# Altium PCB 英雄云台V1.施佳良.PcbDoc (continued)
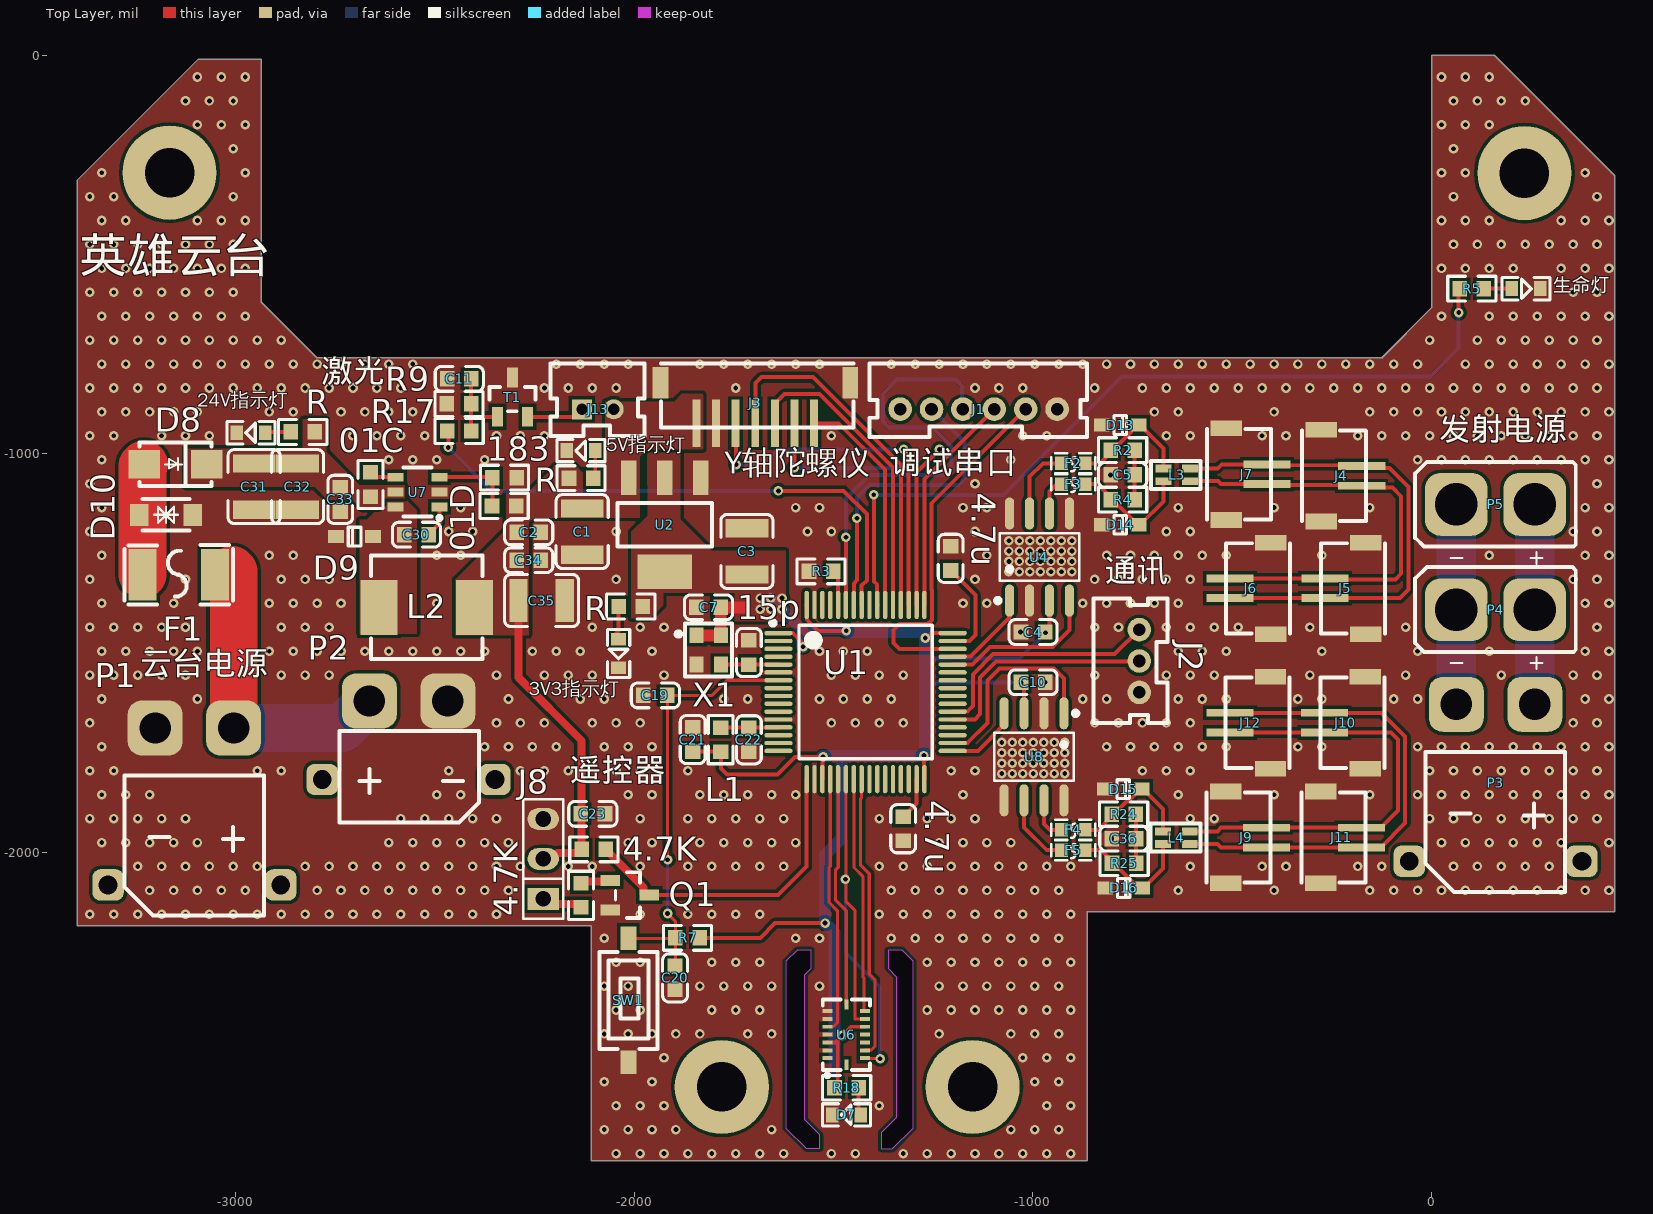
[diagram p0: Top Layer view]
## Footprints (in the part's own frame and the unit in brackets; to place one, negate y for a bottom-side part, rotate by r counter-clockwise, add the part's x,y. Pads: shape width x height; smd on the part's side, far side on the other; paste and mask are expansions set on the pad) (continued)
  silkscreen extent -3.25,-5.13 3.25,5.1, body extent -2.07,-5.15 3.23,5.25, height 12.6

## Part data
01C 01D 183 R R R2 R4 R24 R25: library part R
3V3指示灯 D7 生命灯: "发光二极管", LatestRevisionDate=08-Jul-2005, LatestRevisionNote="Mech Layer 1 removed.", PackageReference=LED-0, Published=8-Jun-2000, Publisher="Altium Limited"
4.7K 4.7K R7: library part "0603 4.7KΩ (4701) 1%", "贴片电阻", Package=0603, SuppliersPartNumber=C23162, ComponentLink1Description=供应商链接, ComponentLink1URL=http://www.szlcsc.com/product/details_23889.html, Supplier=LC
4.7u 4.7u: library part "0402 4.7uF (475) 20% 10V", "贴片电容", Package=0402, SuppliersPartNumber=C23733, ComponentLink1Description=供应商链接, ComponentLink1URL=http://www.szlcsc.com/product/details_24469.html, Supplier=LC
5V指示灯 24V指示灯: library part LED0, "发光二极管", LatestRevisionDate=08-Jul-2005, LatestRevisionNote="Mech Layer 1 removed.", PackageReference=LED-0, Published=8-Jun-2000, Publisher="Altium Limited"
15p: library part "0402 15pF (150) 5% 50V", "贴片电容", Package=0402, SuppliersPartNumber=C1548, ComponentLink1Description=供应商链接, ComponentLink1URL=http://www.szlcsc.com/product/details_1900.html, Supplier=LC
C1 C2 C3 C11 C27 C28 C29: library part Cap, LatestRevisionDate=17-Jul-2002, LatestRevisionNote="Re-released for DXP Platform.", PackageReference=RAD-0.3, Published=8-Jun-2000, Publisher="Altium Limited"
C4 C7 C10 C13 C14 C15 C16 C21 C22: library part "0402 100nF (104) 10% 16V", "贴片电容", Package=0402, SuppliersPartNumber=C1525, ComponentLink1Description=供应商链接, ComponentLink1URL=http://www.szlcsc.com/product/details_1877.html, Supplier=LC
C5 C30 C31 C32 C33 C34 C35 C36: library part C, Package=0603, SuppliersPartNumber=C19666, ComponentLink1Description=供应商链接, ComponentLink1URL=http://www.szlcsc.com/product/details_20375.html, Supplier=LC
C12 C19 C20: library part "0603 4.7uF (475) 10% 16V", "贴片电容", Package=0603, SuppliersPartNumber=C19666, ComponentLink1Description=供应商链接, ComponentLink1URL=http://www.szlcsc.com/product/details_20375.html, Supplier=LC
C18 C23: library part "0603 1uF (105) 10% 50V", "贴片电容", Package=0603, SuppliersPartNumber=C15849, ComponentLink1Description=供应商链接, ComponentLink1URL=http://www.szlcsc.com/product/details_16531.html, Supplier=LC
D8: library part 二极管
D10 D13 D14 D15 D16: BOM_JLCPCB Part Class="Extended Part", BOM_Manufacturer="MCC(Micro Commercial Components)", BOM_Manufacturer Part=SMAJ36A-TP, BOM_Supplier=LCSC, BOM_Supplier Part=C669031, Contributor=LCSC, spicePre=D, spiceSymbolName=SMAJ36A-TP
F1: library part 保险丝
J1: library part "PH 6P"
J2 J8: library part "PH 3P"
J3: library part "GH 7PIN"
L1 L2: library part 电感, "Inductor, Shielded Drum Core, Ferrite, 33 µH, 0.68 A, 0.42 ohm, SMD", Manufacturer=Coilcraft, Value1="0.42 ohm", Value2=0.68A, ValueDisplayed=22UH, AEC Category=Q200, AEC Qualified=?, ComponentLink1Description="Datasheet link", ComponentLink1URL=http://www.coilcraft.com/pdfs/lps4018.pdf, CompType=Inductor, DCR_ohm=0.42, Green_EU RoHS=Incomplete, Green_EU RoHS-2=Incomplete, Green_Lifecycle="Not Set", Green_REACh=Incomplete, Imax_A=0.68, Ind_H=33.0E-6, Irms="0.8A @ 40C rise", Isat="0.68A @ 30% inductance drop", LatestRevisionDate=2017-05-12, Material=Ferrite, MountType=SMT, PackageReference=LPS4018, PartNumber=LPS4018-333MLB, Published=2008-06-26, Publisher="Texas Instruments", RoHS=Y, SizeArea_mm2=15.21, SizeAreaWB_mm2=24.01, SizeX_mm=3.9, SizeY_mm=3.9, SizeZ_mm=1.7, SymbolVersion=2008-07-23, Technology="Shielded Drum Core"
L3 L4: BOM_Manufacturer="Prosperity Dielectrics", BOM_Manufacturer Part=SCM2012F-181M-I-LRH, BOM_Supplier=LCSC, BOM_Supplier Part=C329447, Contributor=LCSC, nameAlias=Value, spicePre=L, spiceSymbolName=SCM2012F-181M-I-LRH
Q1: library part "SOT-23 SS8050 Y1", "三极管", Package=SOT-23, SuppliersPartNumber=C2150, ComponentLink1Description=供应商链接, ComponentLink1URL=http://www.szlcsc.com/product/details_2507.html, Supplier=LC
R R5 R18: library part Res, LatestRevisionDate=17-Jul-2002, LatestRevisionNote="Re-released for DXP Platform.", PackageReference=AXIAL-0.4, Published=8-Jun-2000, Publisher="Altium Limited"
R3: library part "0402 10KΩ (1002) 1%", "贴片电阻", Package=0402, SuppliersPartNumber=C25744, ComponentLink1Description=供应商链接, ComponentLink1URL=http://www.szlcsc.com/product/details_26487.html, Supplier=LC
T1: "NPN", PackageDocument=Sep-1998, Code_JEDEC=TO-92A, ComponentLink1Description="Manufacturer Link", ComponentLink1URL=http://www.fairchildsemi.com/, ComponentLink2Description=Datasheet, ComponentLink2URL=http://www.fairchildsemi.com/ds/2N%2F2N3904.pdf, DatasheetDocument=1997, LatestRevisionDate=15-Jan-2003, LatestRevisionNote="PCB Footprint 'BCY-W3/D4.7' replaced", PackageReference=TO-92A, Published=8-Jun-2000, Publisher="Altium Limited"
U2: "线性稳压3.3V-5V 1A"
U4 U8: BOM_JLCPCB Part Class="Extended Part", BOM_Manufacturer=MAXIM, BOM_Manufacturer Part=MAX3051EKA+T, BOM_Supplier=LCSC, BOM_Supplier Part=C112005, spicePre=U, spiceSymbolName=MAX3051EKA+T
X1: BOM_Manufacturer="Seiko Epson", BOM_Manufacturer Part=SG-8018CG-8.000000MHz-TJHSA, BOM_Supplier=LCSC, BOM_Supplier Part=C390520, Contributor=LCSC, nameAlias=Frequency, spicePre=X, spiceSymbolName=SG-8018CG-8.000000MHZ-TJHSA
R9 R17: LatestRevisionDate=17-Jul-2002, LatestRevisionNote="Re-released for DXP Platform.", PackageReference=AXIAL-0.4, Published=8-Jun-2000, Publisher="Altium Limited"

## Free pads (board coordinates)
  round 236.22 hole 124.02 unplated: 4(-3165,-295) 5(-1780,-2588) 6(-1151,-2588) 7(233,-296)

## Via types
v1: diameter 24, hole 12, Top Layer to Bottom Layer, tented both sides, 805 vias
v2: diameter 24, hole 12, Top Layer to Bottom Layer, 89 vias

## Nets (pads, with @x,y where several pads share a name; then routed paths per layer and width w, separated by ;. In a path a pad name is that pad's centre, name@x,y a point inside that pad or via, vN(x,y) a via of type N, cw(c..) or ccw(c..) an arc to the next point about the centre after c; other vN are vias at no path point)
3V3: C3.2 C4.1 C7.2 C10.1 C12.2 C13.2 C14.2 C15.2 C16.2 C18.2 C21.2 C27.2 C28.2 C29.2 L1.1 R7.1 R18.2 R.2@-1978,-1383 U1.1 U1.19 U1.32 U1.48 U1.64 U2.2 U4.3 U6.3 U6.11 U8.3 X1.1 X1.4 | length 4165.8
  Top Layer w10: C21.2 -1783.31,-1747 L1.1 -1782,-1748.31 -1782,-1789.36 -1767.36,-1804 -1640.73,-1804 -1596.73,-1760 v2(-1526,-1760) -1527.57,-1761.57 -1527.57,-1815.84 U1.19 ; R7.1 -1683,-2214 -1646,-2177 v2(-1521,-2177) ; U1.1 -1637.8,-1450.09 -1601.39,-1450.09 -1578.68,-1472.8 -1578.68,-1481.32 v2(-1576,-1484) ; U1.64 -1566.94,-1379.22 -1566.94,-1415.64 -1538.57,-1444 v2(-1468,-1444) ; U6.3 -1514.92,-2476.28 -1495.28,-2476.28 -1489.2,-2470.2 ; R18.2 -1489.2,-2581.89 -1489.2,-2470.2 ; U6.11 -1456,-2437 v2(-1478,-2459) -1489.2,-2470.2 ; v2(-1273,-1757) -1273,-1784.69 -1271.86,-1785.83 U1.32 ; v2(-1270,-1462) -1266.21,-1462 -1254.3,-1450.09 -1201.19,-1450.09 U1.48 ; C10.1 -1022,-1580.63 U8.3 ; C4.1 -958.25,-1436.25 U4.3
  Top Layer w30: X1.1 X1.4 -1782.65,-1455.05 C7.2@-1782.65,-1385.35 ; C7.2 -1724,-1385
  Bottom Layer w10: -1271,-1579 -1266,-1574 v2(-1029,-1574) ; -1271,-1514 -1033,-1514 v2(-968,-1449)
  Bottom Layer w30: v2(-1657,-1362) v2(-1629,-1390) -1579.31,-1439.69 ; C16.2 -1579.31,-1481.69 -1579.31,-1439.69 ; C13.2@-1526.98,-1758 C13.2 -1480,-1758 ; C18.2 C29.2 C28.2 C27.2 -1497,-2366.98 -1497,-2201 v2(-1521,-2177) -1521,-2006 -1480,-1965 -1480,-1758 ; v2(-1468,-1444) -1472.29,-1439.69 -1579.31,-1439.69 ; C15.2 -1467.02,-1443 -1463.02,-1447 C14.2 -1266,-1447.98 -1271,-1452.98 -1271,-1514 -1271,-1579 C12.2 -1480,-1758
  other v2: -1684,-1390 -1657,-1390 -1684,-1362 -1629,-1362
5V: 01D.1 4.7K.2@-2131.32,-1992 C1.2 C2.2 C23.1 C34.1 C35.1 J3.1 J8.2 J13.1 L2.2 R.1@-2163.31,-1061 U2.3 | length 797
  Top Layer w20: C35.1 -2290.1,-1560.9 -2131.32,-1719.68 -2131.32,-1992 -2131.32,-1992.98 -2139.62,-2001.29 -2191.98,-2001.29 -2206.69,-2016 J8.2
24V: F1.1 P1.1 P2.1 | length 766.4
  Top Layer w120: -3008,-1291 -3004.11,-1294.89 P1.1
  Bottom Layer w120: P1.1 -2731.39,-1687.65 P2.1
BOOST24V: P3.1 P4.1 P5.1 | length 501.3
  Bottom Layer w100: P3.1 P4.1 P5.1
BOOSTGND: P3.2 P4.2 P5.2 | length 501.3
  Bottom Layer w100: P3.2 P4.2 P5.2
CAN_CAN1_N: J4.1 J5.1 J6.1 J7.1 L3.2 | length 1174.6
  Top Layer w10: L3.2 -535,-1068.75 -527.75,-1076 J7.1 -411,-1078 -177.06,-1078 -170.21,-1084.84 -98.29,-1084.84 -76,-1107.14 -76,-1300.36 -90.64,-1315 -264.79,-1315 J5.1 J6.1
CAN_CAN1_P: J4.2 J5.2 J6.2 J7.2 L3.3 | length 1288.4
  Top Layer w10: L3.3 -536.6,-1037.25 -526.14,-1026.79 J7.2 -411,-1028.79 -177.06,-1028.79 -170.21,-1035.63 -105.37,-1035.63 -58,-1083 -58,-1340.36 -79.64,-1362 J5.2 J6.2
CAN_CAN2_N: J9.1 J10.1 J11.1 J12.1 L4.2 | length 1250.9
  Top Layer w10: L4.2 -536.62,-1978.5 -528.12,-1987 J9.1 J11.1 -126.84,-1987 -66,-1926.16 -66,-1709.19 -125.61,-1649.57 J10.1 J12.1
CAN_CAN2_P: J9.2 J10.2 J11.2 J12.2 L4.3 | length 1151.7
  Top Layer w10: L4.3 -536.98,-1947 -527.77,-1937.79 J9.2 J11.2 -126.84,-1937.79 -84,-1894.94 -84,-1716.64 -101.86,-1698.79 J10.2 J12.2
GND: 3V3指示灯.2 4.7u.1 5V指示灯.2 15p.1 24V指示灯.2 183.2 C1.1 C2.1 C3.1 C4.2 C5.2 C7.1 C10.2 C11.1 C12.1 C13.1 C14.1 C15.1 C16.1 C18.1 C19.1 C20.1 C21.1 C22.1 C23.2 C27.1 C28.1 C29.1 C31.2 C32.2 C33.2 C34.2 C35.2 C36.2 D7.2 D9.2 D10.2 D13.2 D14.2 D15.2 D16.2 J1.1 J2.3 J3.0 J3.2 J4.0 J5.0 J6.0 J7.0 J8.3 J9.0 J10.0 J11.0 J12.0 P1.2 P2.2 Q1.2 R3.1 R9.1 SW1.2 T1.2 U1.6 U1.12 U1.18 U1.63 U2.1 U4.2 U4.5 U4.8 U6.2 U6.4 U6.6 U6.7 U7.2 U8.2 U8.5 U8.8 X1.2 生命灯.2
  other v1: -2045,-2755 -1985,-2755 -1925,-2755 -1865,-2755 -1805,-2755 -1745,-2755 -1685,-2755 -1625,-2755 -1505,-2755 -1445,-2755 -1325,-2755 -1265,-2755 -1205,-2755 -1145,-2755 -1085,-2755 -1025,-2755 -965,-2755 -905,-2755 -2075,-2695 -2015,-2695 -1955,-2695 -1895,-2695 -1655,-2695 -1055,-2695 -995,-2695 -935,-2695 -2045,-2635 -1985,-2635 -1925,-2635 -1385,-2635 -965,-2635 -905,-2635 -2075,-2575 -1955,-2575 -995,-2575 -935,-2575 -1925,-2515 -1025,-2515 -965,-2515 -905,-2515 -2075,-2455 -2015,-2455 -1955,-2455 -1895,-2455 -1835,-2455 -1715,-2455 -1655,-2455 -1235,-2455 -1055,-2455 -995,-2455 -935,-2455 -2045,-2395 -1985,-2395 -1805,-2395 -1745,-2395 -1685,-2395 -1265,-2395 -1205,-2395 -1145,-2395 -1085,-2395 -1025,-2395 -965,-2395 -905,-2395 -2075,-2335 -2015,-2335 -1835,-2335 -1775,-2335 -1715,-2335 -1655,-2335 -1535,-2335 -1235,-2335 -1175,-2335 -1115,-2335 -1055,-2335 -995,-2335 -935,-2335 -2045,-2275 -1985,-2275 -1805,-2275 -1745,-2275 -1685,-2275 -1265,-2275 -1205,-2275 -1145,-2275 -1085,-2275 -1025,-2275 -965,-2275 -905,-2275 -2075,-2215 -1595,-2215 -1535,-2215 -1355,-2215 -1295,-2215 -1235,-2215 -1175,-2215 -1115,-2215 -1055,-2215 -995,-2215 -935,-2215 -3365,-2155 -3305,-2155 -3245,-2155 -3185,-2155 -3125,-2155 -3065,-2155 -3005,-2155 -2945,-2155 -2885,-2155 -2825,-2155 -2765,-2155 -2705,-2155 -2645,-2155 -2585,-2155 -2525,-2155 -2465,-2155 -2405,-2155 -2345,-2155 -1985,-2155 -1865,-2155 -1805,-2155 -1745,-2155 -1685,-2155 -1385,-2155 -1325,-2155 -1265,-2155 -1205,-2155 -1145,-2155 -1085,-2155 -1025,-2155 -965,-2155 -905,-2155 -3215,-2095 -3155,-2095 -3095,-2095 -3035,-2095 -2975,-2095 -2795,-2095 -2735,-2095 -2675,-2095 -2615,-2095 -2555,-2095 -2495,-2095 -2435,-2095 -2375,-2095 -2315,-2095 -1355,-2095 -1295,-2095 -1235,-2095 -1175,-2095 -1115,-2095 -1055,-2095 -995,-2095 -935,-2095 -635,-2095 -395,-2095 -155,-2095 -95,-2095 -35,-2095 25,-2095 85,-2095 145,-2095 205,-2095 265,-2095 325,-2095 385,-2095 445,-2095 -3245,-2035 -3185,-2035 -3125,-2035 -3065,-2035 -3005,-2035 -2945,-2035 -2825,-2035 -2765,-2035 -2705,-2035 -2645,-2035 -2585,-2035 -2525,-2035 -2465,-2035 -2405,-2035 -2345,-2035 -2285,-2035 -2165,-2035 -2105,-2035 -1985,-2035 -1865,-2035 -1805,-2035 -1745,-2035 -1685,-2035 -1625,-2035 -1385,-2035 -1325,-2035 -1265,-2035 -1205,-2035 -1145,-2035 -1085,-2035 -1025,-2035 -965,-2035 -905,-2035 -605,-2035 -425,-2035 -365,-2035 -185,-2035 -125,-2035 55,-2035 115,-2035 175,-2035 235,-2035 295,-2035 -3335,-1975 -3275,-1975 -3215,-1975 -3155,-1975 -3095,-1975 -2615,-1975 -2555,-1975 -2495,-1975 -2435,-1975 -2375,-1975 -2315,-1975 -2015,-1975 -1955,-1975 -1835,-1975 -1775,-1975 -1715,-1975 -1655,-1975 -1595,-1975 -1235,-1975 -1175,-1975 -1115,-1975 -1055,-1975 25,-1975 85,-1975 145,-1975 205,-1975 265,-1975 325,-1975 445,-1975 -3365,-1915 -3305,-1915 -3245,-1915 -3185,-1915 -3125,-1915 -2585,-1915 -2525,-1915 -2465,-1915 -2405,-1915 -2345,-1915 -1985,-1915 -1865,-1915 -1805,-1915 -1745,-1915 -1685,-1915 -1625,-1915 -1385,-1915 -1265,-1915 -1205,-1915 -1145,-1915 -605,-1915 -545,-1915 -5,-1915 55,-1915 115,-1915 175,-1915 235,-1915 295,-1915 355,-1915 415,-1915 -3335,-1855 -3275,-1855 -3215,-1855 -2495,-1855 -2435,-1855 -2015,-1855 -1955,-1855 -1835,-1855 -1775,-1855 -1715,-1855 -1655,-1855 -1595,-1855 -1175,-1855 -635,-1855 -395,-1855 -155,-1855 -35,-1855 25,-1855 85,-1855 145,-1855 205,-1855 265,-1855 325,-1855 385,-1855 445,-1855 -3365,-1795 -3305,-1795 -2945,-1795 -2885,-1795 -2465,-1795 -2285,-1795 -2225,-1795 -2165,-1795 -2045,-1795 -1985,-1795 -1865,-1795 -1205,-1795 -1145,-1795 -725,-1795 -665,-1795 -605,-1795 -5,-1795 55,-1795 115,-1795 175,-1795 235,-1795 295,-1795 355,-1795 415,-1795 -3335,-1735 -2375,-1735 -2315,-1735 -2255,-1735 -2195,-1735 -2075,-1735 -2015,-1735 -1955,-1735 -815,-1735 -755,-1735 -695,-1735 -635,-1735 -575,-1735 -515,-1735 -335,-1735 -275,-1735 -35,-1735 25,-1735 85,-1735 145,-1735 205,-1735 265,-1735 325,-1735 385,-1735 445,-1735 -3365,-1675 -2345,-1675 -2285,-1675 -2225,-1675 -2105,-1675 -2045,-1675 -1985,-1675 -1505,-1675 -1445,-1675 -1385,-1675 -1325,-1675 -845,-1675 -785,-1675 -725,-1675 -665,-1675 -605,-1675 355,-1675 415,-1675 -3335,-1615 -3095,-1615 -2315,-1615 -2135,-1615 -2075,-1615 -1775,-1615 -1715,-1615 -1535,-1615 -1475,-1615 -1415,-1615 -1355,-1615 -875,-1615 -815,-1615 -635,-1615 -575,-1615 -515,-1615 -335,-1615 -275,-1615 -95,-1615 -35,-1615 385,-1615 445,-1615 -3365,-1555 -3305,-1555 -3245,-1555 -3185,-1555 -3125,-1555 -2885,-1555 -2825,-1555 -2765,-1555 -2345,-1555 -2225,-1555 -2165,-1555 -2105,-1555 -1925,-1555 -1505,-1555 -1445,-1555 -1385,-1555 -1325,-1555 -845,-1555 -665,-1555 -605,-1555 -545,-1555 -305,-1555 -65,-1555 175,-1555 355,-1555 415,-1555 -3335,-1495 -3275,-1495 -3215,-1495 -3155,-1495 -3095,-1495 -2915,-1495 -2855,-1495 -2795,-1495 -2735,-1495 -2675,-1495 -2615,-1495 -2555,-1495 -2495,-1495 -2435,-1495 -2375,-1495 -2255,-1495 -2195,-1495 -2135,-1495 -1955,-1495 -1535,-1495 -1475,-1495 -1415,-1495 -635,-1495 -575,-1495 -515,-1495 -275,-1495 -35,-1495 145,-1495 385,-1495 445,-1495 -3365,-1435 -3305,-1435 -3245,-1435 -3185,-1435 -3125,-1435 -2885,-1435 -2825,-1435 -2765,-1435 -2105,-1435 -1985,-1435 -1925,-1435 -845,-1435 -785,-1435 -665,-1435 -605,-1435 -545,-1435 -485,-1435 -305,-1435 -65,-1435 415,-1435 -3335,-1375 -3155,-1375 -2915,-1375 -2855,-1375 -2795,-1375 -2735,-1375 -2495,-1375 -1175,-1375 -1115,-1375 -875,-1375 -815,-1375 -755,-1375 -695,-1375 -635,-1375 385,-1375 445,-1375 -3365,-1315 -3125,-1315 -2885,-1315 -2825,-1315 -2765,-1315 -2045,-1315 -1145,-1315 -845,-1315 -785,-1315 -725,-1315 -665,-1315 -605,-1315 355,-1315 415,-1315 -3335,-1255 -2915,-1255 -2855,-1255 -2495,-1255 -2435,-1255 -1115,-1255 -815,-1255 -755,-1255 -695,-1255 -635,-1255 -575,-1255 -515,-1255 -275,-1255 145,-1255 385,-1255 445,-1255 -3365,-1195 -2465,-1195 -2405,-1195 -2045,-1195 -1565,-1195 -1505,-1195 -1145,-1195 -665,-1195 -605,-1195 355,-1195 415,-1195 -3335,-1135 -2435,-1135 -1595,-1135 -1535,-1135 -1175,-1135 -1115,-1135 -635,-1135 -395,-1135 -155,-1135 385,-1135 445,-1135 -3365,-1075 -1145,-1075 415,-1075 -3335,-1015 -2615,-1015 -2555,-1015 -2495,-1015 -2375,-1015 -1055,-1015 -35,-1015 25,-1015 85,-1015 145,-1015 205,-1015 265,-1015 325,-1015 385,-1015 445,-1015 -3365,-955 -3305,-955 -3185,-955 -3125,-955 -3065,-955 -2705,-955 -2645,-955 -2585,-955 -2525,-955 -2345,-955 -2285,-955 -2225,-955 -1505,-955 -1025,-955 -965,-955 -665,-955 -605,-955 -425,-955 -365,-955 -185,-955 -125,-955 -65,-955 -5,-955 55,-955 115,-955 175,-955 235,-955 295,-955 355,-955 415,-955 -3335,-895 -3275,-895 -3215,-895 -3155,-895 -3095,-895 -2915,-895 -2855,-895 -2735,-895 -2675,-895 -2615,-895 -2555,-895 -695,-895 -635,-895 -395,-895 -155,-895 -95,-895 -35,-895 25,-895 85,-895 145,-895 205,-895 265,-895 325,-895 385,-895 445,-895 -3365,-835 -3305,-835 -3245,-835 -3185,-835 -3125,-835 -3065,-835 -3005,-835 -2945,-835 -2885,-835 -2825,-835 -2765,-835 -2705,-835 -2645,-835 -2585,-835 -2225,-835 -2165,-835 -2105,-835 -2045,-835 -1745,-835 -1145,-835 -1085,-835 -1025,-835 -845,-835 -725,-835 -665,-835 -605,-835 -545,-835 -485,-835 -425,-835 -365,-835 -305,-835 -245,-835 -185,-835 -125,-835 -65,-835 -5,-835 55,-835 115,-835 175,-835 235,-835 295,-835 355,-835 415,-835 -3335,-775 -3275,-775 -3215,-775 -3155,-775 -3095,-775 -3035,-775 -2975,-775 -2915,-775 -2855,-775 -2795,-775 -2735,-775 -2675,-775 -2615,-775 -2555,-775 -2195,-775 -2135,-775 -2075,-775 -2015,-775 -1835,-775 -1775,-775 -1715,-775 -1655,-775 -1595,-775 -1535,-775 -1355,-775 -1295,-775 -1235,-775 -1175,-775 -1115,-775 -1055,-775 -995,-775 -935,-775 -875,-775 -815,-775 -755,-775 -695,-775 -635,-775 -575,-775 -515,-775 -455,-775 -395,-775 -335,-775 -275,-775 -215,-775 -155,-775 -95,-775 -35,-775 85,-775 145,-775 205,-775 265,-775 325,-775 385,-775 445,-775 -3365,-715 -3305,-715 -3245,-715 -3185,-715 -3125,-715 -3065,-715 -3005,-715 -2945,-715 -2885,-715 -5,-715 115,-715 175,-715 235,-715 295,-715 355,-715 415,-715 -3335,-655 -3275,-655 -3215,-655 -3155,-655 -3095,-655 -3035,-655 -2975,-655 25,-655 145,-655 205,-655 265,-655 325,-655 385,-655 445,-655 -3365,-595 -3305,-595 -3245,-595 -3185,-595 -3125,-595 -3065,-595 -3005,-595 355,-595 415,-595 -3335,-535 -3275,-535 -3215,-535 -3155,-535 -3095,-535 -3035,-535 -2975,-535 25,-535 85,-535 145,-535 205,-535 325,-535 385,-535 445,-535 -3365,-475 -3305,-475 -3245,-475 -3185,-475 -3125,-475 -3065,-475 -3005,-475 55,-475 115,-475 175,-475 235,-475 295,-475 355,-475 415,-475 -3335,-415 -3275,-415 -3095,-415 -3035,-415 -2975,-415 25,-415 85,-415 145,-415 325,-415 385,-415 445,-415 -3365,-355 -3305,-355 -3005,-355 55,-355 415,-355 -3335,-295 -2975,-295 25,-295 85,-295 385,-295 -3005,-235 55,-235 -3095,-175 -3035,-175 -2975,-175 25,-175 85,-175 145,-175 -3125,-115 -3065,-115 -3005,-115 55,-115 115,-115 175,-115 235,-115 -3095,-55 -3035,-55 -2975,-55 25,-55 85,-55 145,-55
  other v2: -801.94,-1965.06 -1078,-1802 -1051.67,-1802 -1025.33,-1802 -999,-1802 -972.67,-1802 -946.33,-1802 -920,-1802 -1078,-1776 -1051.67,-1776 -1025.33,-1776 -999,-1776 -972.67,-1776 -946.33,-1776 -920,-1776 -1078,-1750 -1051.67,-1750 -1025.33,-1750 -999,-1750 -972.67,-1750 -946.33,-1750 -920,-1750 -1078,-1724 -1051.67,-1724 -1025.33,-1724 -999,-1724 -972.67,-1724 -946.33,-1724 -920,-1724 -969,-1573 -1030.82,-1447 -1060,-1296 -1033.67,-1296 -1007.33,-1296 -981,-1296 -954.67,-1296 -928.33,-1296 -902,-1296 -1060,-1270 -1033.67,-1270 -1007.33,-1270 -981,-1270 -954.67,-1270 -928.33,-1270 -902,-1270 -1060,-1244 -1033.67,-1244 -1007.33,-1244 -981,-1244 -954.67,-1244 -928.33,-1244 -902,-1244 -1060,-1218 -1033.67,-1218 -1007.33,-1218 -981,-1218 -954.67,-1218 -928.33,-1218 -902,-1218 -805,-1053
NetC5_1: C5.1 R2.1 R4.1 | length 124
  Top Layer w10: R4.1 R2.1
NetC6_2: 15p.2 U1.5 X1.3 | length 144.3
  Top Layer w10: X1.3 15p.2 U1.5
NetC8_2: 4.7u.2@-1206,-1292.63 U1.47 | length 251.6
  Top Layer w10: 4.7u.2@-1206,-1292.63 -1205.02,-1292.63 -1191.71,-1305.94 -1191.71,-1306.92 -1144,-1354.63 -1144,-1454.93 -1158.64,-1469.57 U1.47
NetC9_2: 4.7u.2@-1325,-1910 U1.31 | length 108.4
  Top Layer w10: 4.7u.2@-1325,-1910 -1324.02,-1910 -1291.54,-1877.53 U1.31
NetC11_2: C11.2 R9.2 R17.2 T1.1 | length 198.5
  Top Layer w10: R17.2 -2408.37,-904 ; C11.2 -2408.37,-812.37 -2408.37,-904 ; T1.1 -2405.16,-907.21 -2408.37,-904
NetC22_2: C22.2 L1.2 U1.13 | length 145.2
  Top Layer w10: L1.2 -1782.43,-1686.11 U1.13
NetC30_1: C30.1 U7.1 | length 80.9
  Top Layer w10: C30.1 -2515.37,-1202.02 -2488.03,-1174.68 U7.1
NetC30_2: C30.2 D9.1 L2.1 U7.6
NetC31_1: 01C.1 C31.1 C32.1 C33.1 D8.1 R.1@-2800.58,-945.19 U7.5
NetC36_1: C36.1 R24.1 R25.1 | length 123.4
  Top Layer w10: R24.1 -741.69,-2026 R25.1
NetD1_1: 3V3指示灯.1 R.1@-2038.63,-1383 | length 68.8
  Top Layer w10: -2044,-1449.57 -2038.63,-1444.2 R.1@-2038.63,-1383
NetD2_1: R5.1 生命灯.1 | length 70.3
  Top Layer w10: R5.1 生命灯.1
NetD7_1: D7.1 R18.1 | length 69.9
  Top Layer w10: R18.1 -1436.69,-2653.31 D7.1
NetD8_2: D8.2 D10.1 F1.2 | length 278.5
  Top Layer w120: F1.2 -3232.64,-1030.21 D8.2
NetD11_1: 24V指示灯.1 R.2@-2861.21,-945.19 | length 65.1
  Top Layer w10: 24V指示灯.1 -2923.46,-945.19 R.2@-2861.21,-945.19
NetD12_1: 5V指示灯.1 R.2@-2102.68,-1061 | length 71.1
  Top Layer w8: R.2@-2102.68,-1061 -2097.57,-1055.88 5V指示灯.1
NetD13_1: D13.1 F2.2 L3.4 R2.2 | length 312
  Top Layer w10: F2.2 -831.98,-1024 -800.02,-992.04 -800.02,-990.67 -768.06,-958.71 -737.35,-928 D13.1 -730.65,-928 -672.47,-986.19 L3.4
NetD14_1: D14.1 F3.2 L3.1 R4.2 | length 314.4
  Top Layer w10: F3.2 -837.98,-1076 -803.02,-1110.96 -803.02,-1112.33 -748.69,-1166.66 -745.34,-1166.66 D14.1 -730.65,-1178 -672.47,-1119.81 L3.1
NetD15_1: D15.1 F4.2 L4.4 R24.2 | length 314.8
  Top Layer w10: F4.2 -835.87,-1943 -800.62,-1907.76 -800.62,-1906.95 -765.38,-1871.71 -760.6,-1871.71 -729.89,-1841 D15.1 -723.2,-1841 -673.47,-1890.73 L4.4
NetD16_1: D16.1 F5.2 L4.1 R25.2 | length 316.9
  Top Layer w10: F5.2 -828.99,-1994 -796.68,-2026.31 -796.68,-2026.99 -746.01,-2077.66 -736.88,-2077.66 D16.1 -722.2,-2089 -673.47,-2040.27 L4.1
NetF2_1: F2.1 U4.7 | length 186.6
  Top Layer w10: U4.7 -1008.25,-1057.25 -975,-1024 F2.1
NetF3_1: F3.1 U4.6 | length 93.2
  Top Layer w10: U4.6 -958.25,-1094.64 -943.61,-1080 -932,-1080 F3.1
NetF4_1: F4.1 U8.7 | length 109.3
  Top Layer w10: U8.7 -972,-1928.36 -957.36,-1943 F4.1
NetF5_1: F5.1 U8.6 | length 185.5
  Top Layer w10: U8.6 -1022,-1937 -965,-1994 F5.1
NetJ8_1: 4.7K.1@-2133,-2137.63 J8.1 | length 104
  Top Layer w20: J8.1 -2214.68,-2129.32 -2141.31,-2129.32 4.7K.1@-2133,-2137.63
NetJ13_2: J13.2 T1.3 | length 144.4
  Top Layer w10: T1.3 -2149.75,-907.21 J13.2
NetQ1_1: 4.7K.2@-2133,-2077 Q1.1 | length 75.9
  Top Layer w20: 4.7K.2@-2133,-2077 -2129.3,-2073.3 -2063.91,-2073.3 Q1.1
NetR3_2: R3.2 U1.60 | length 88.3
  Top Layer w10: R3.2@-1489,-1291 -1489,-1348.22 -1488.39,-1348.83 U1.60
NetR19_2: 01C.2 U7.4 | length 67.7
  Top Layer w10: 01C.2 -2649.07,-1058.61 U7.4
NetR21_2: 01D.2 183.1 U7.3 | length 204.7
  Top Layer w10: U7.3 -2356.71,-1058.61 183.1 -2355.31,-1130 01D.2
NRST: C19.2 C20.2 R7.2 SW1.1 U1.7 | length 1100.8
  Top Layer w8: SW1.1 R7.2@-1897.84,-2215.53 ; v2@-1916.37,-2018 C19.2 -1804.4,-1606 -1766.4,-1568 U1.7 ; v2(-1916,-2153) -1896.32,-2172.68 R7.2 ; R7.2@-1899,-2216.68 R7.2@-1897.84,-2215.53 ; C20.2 -1896.32,-2283.02 R7.2 ; R7.2@-1897.84,-2215.53 R7.2
  Bottom Layer w8: v2(-1916,-2153) v2(-1916,-2018)
PA0/UART4_TX: U1.14
PA1/UART4_RX: U1.15
PA2/USART2_TX: U1.16
PA3/USART2_RX: 4.7K.1@-2070.69,-1992 Q1.3 U1.17 | length 810
  Top Layer w10: Q1.3 -1639,-2107 -1567.13,-2035.13 U1.17
  Top Layer w20: 4.7K.1@-2070.69,-1992 -2070.69,-1992.98 -1976.39,-2087.28 -1976.39,-2103.22 -1972.61,-2107 Q1.3
PA4/SPI1_NSS: J3.6 U1.50 | length 908.5
  Top Layer w10: v2(-1597.79,-1035.21) J3.6 ; U1.50 -1291.54,-1046.54 v2(-1234,-989)
  Bottom Layer w10: v2(-1597.79,-1035.21) -1280.21,-1035.21 v2(-1234,-989)
PA5/SPI1_SCK: J3.5 U1.53 | length 776.5
  Top Layer w10: J3.5 -1647,-874.25 -1623.1,-850.36 -1534.4,-850.36 -1350.6,-1034.16 U1.53
PA6/SPI1_MISO: J3.4 U1.52 | length 913.6
  Top Layer w10: J3.4 -1695,-922.25 -1695,-822.64 -1680.36,-808 -1551,-808 -1330.91,-1028.09 U1.52
PA7/SPI1_MOSI: J3.3 U1.51 | length 935.2
  Top Layer w10: J3.3 -1744,-924.89 v2(-1744,-1027) ; v2(-1324,-989) -1324,-992.79 -1311.23,-1005.56 U1.51
  Bottom Layer w10: v2(-1744,-1027) -1678,-1027 -1640,-989 v2(-1324,-989)
PA11/CAN1_RX: U1.44 U4.4 | length 402.6
  Top Layer w10: U1.44 -1151,-1528.63 -1107.08,-1484.71 -950.73,-1484.71 -908.25,-1442.23 U4.4
PA12/CAN1_TX: U1.45 U4.1 | length 225.8
  Top Layer w10: U1.45 -1200.8,-1508.75 -1156.57,-1508.75 -1058.25,-1410.43 U4.1
PA15/SPI3_NSS: U1.20 U6.5 | length 649.8
  Top Layer w8: U6.5 -1514.08,-2436.08 -1499.08,-2436.08 -1490.2,-2427.2 -1490.2,-2146.21 -1511,-2125.42 -1511,-2037.37 -1508.08,-2034.45 U1.20
PB3/生命灯: R5.2 U1.55 | length 2049.3
  Top Layer w10: v2(-1399,-1103) -1398.08,-1103.92 -1398.08,-1144 -1398,-1144.08 -1398,-1319.86 -1390.16,-1327.69 -1390.16,-1378.83 U1.55 ; v2(68,-646) 68,-588.68 R5.2
  Bottom Layer w10: v2(-1399,-1103) -1073,-1103 -776,-806 -3,-806 68,-735 v2(68,-646)
PB5: R17.1 U1.57 | length 1394.6
  Top Layer w10: R17.1 -2466,-946 v2(-2466,-984) ; v2(-1638,-1093) -1474.54,-1093 -1416,-1151.54 -1416,-1317.46 -1429.14,-1330.6 -1429.14,-1378.83 U1.57
  Bottom Layer w10: v2(-2466,-984) -2357,-1093 v2(-1638,-1093)
PB6/USART1_TX: J1.5 U1.58 | length 771.6
  Top Layer w10: U1.58 -1448.83,-1378.83 -1448.83,-1324.83 -1441,-1317 v2(-1441,-1161.89)
  Bottom Layer w10: v2(-1441,-1161.89) -1441,-1109.64 -1409.36,-1078 -1185.64,-1078 -1171,-1063.36 -1171,-971 J1.5
PB7/USART1_RX: J1.4 U1.59 | length 1161.9
  Top Layer w10: v2@-1469,-1209 v2(-1468.71,-1209.29) U1.59
  Bottom Layer w10: v2(-1468.71,-1209.29) -1468.71,-1111.9 -1410.02,-1053.21 -1224.21,-1053.21 -1205,-1034 -1205,-981 -1252,-934 -1361.36,-934 -1376,-919.36 -1376,-849.64 -1340.36,-814 -1193,-814 -1177.53,-829.47 -1177.53,-885.73 J1.4
PB11/USART3_RX: U1.30
PB12/CAN2_RX: U1.33 U8.4 | length 184.9
  Top Layer w10: U1.33 -1200.8,-1744.97 -1137.44,-1744.97 -1072,-1679.53 U8.4
PB13/CAN2_TX: U1.34 U8.1 | length 515.9
  Top Layer w10: U1.34 -1200.8,-1725.28 -1164.38,-1725.28 -1114,-1674.9 -1114,-1568.71 -1084,-1538.71 -947.31,-1538.71 -922,-1564.02 U8.1
PC4/Y陀螺仪: J3.7 U1.54 | length 609.2
  Top Layer w10: J3.7@-1548.57,-967.07 J3.7 -1486.75,-923.46 -1370.28,-1039.93 U1.54
PC6/USART6_TX: J2.2 U1.37 | length 582.5
  Top Layer w10: U1.37 -1200.8,-1666.23 -1145.23,-1666.23 -1132,-1653 -1132,-1560.54 -1092.16,-1520.71 J2.2@-733,-1520.71
PC7/USART6_RX: J2.1 U1.38 | length 599.5
  Top Layer w10: U1.38 -1200.8,-1646.54 -1164.38,-1646.54 -1150,-1632.16 -1150,-1553.09 -1099.62,-1502.71 -794.71,-1502.71 J2.1
PC10/SPI3_SCK: U1.21 U6.8 | length 579.7
  Top Layer w8: U1.21 -1488,-1816.43 -1488,-2037 -1495,-2044 -1495,-2118.79 -1467.76,-2146.03 U6.8
PC11/SPI3_MISO: U1.22 U6.10 U6.15 | length 1157.7
  Top Layer w8: U1.22 -1468.71,-2122.45 -1446.08,-2145.08 -1446.08,-2417 -1445.77,-2417.31 U6.10 ; U6.15 -1419.6,-2516.65 -1409.88,-2516.65 -1409.53,-2517 v2(-1383,-2517)
  Bottom Layer w8: v2(-1470,-2067) -1470,-2250.16 -1384,-2336.16 v2@-1384,-2515
PC12/SPI3_MOSI: U1.23 U6.9 | length 594.3
  Top Layer w8: U1.23 -1448.45,-1816.61 -1448.45,-2037.55 -1426,-2060 -1426,-2311.63 -1423,-2314.63 -1423,-2396.7 -1422.08,-2397.62 U6.9
PC13: U1.24 U6.14 | length 715.6
  Top Layer w8: U1.24 -1429.92,-1816.61 -1429.92,-1863.5 -1432.45,-1866.03 -1432.45,-2030.93 -1410,-2053.37 -1410,-2305 -1395.72,-2319.28 -1395.72,-2486.25 -1404.6,-2495.13 -1419.6,-2495.13 U6.14
SWDCLK: J1.3 U1.49 | length 563.7
  Top Layer w10: U1.49 -1271.86,-1063.34 J1.3
SWDIO: J1.2 U1.46 | length 919.3
  Top Layer w10: U1.46 -1201.19,-1489.06 -1334.36,-1489.06 -1349,-1474.42 -1349,-1442.1 -1334.36,-1427.46 -1264.19,-1427.46 -1253.35,-1416.61 -1253.35,-1341.43 -1253.86,-1340.92 -1253.86,-1124.08 J1.2
pads on no net: J1.6 P1.0 P2.0 P3.0 U1.2 U1.3 U1.4 U1.8 U1.9 U1.10 U1.11 U1.25 U1.26 U1.27 U1.28 U1.29 U1.35 U1.36 U1.39 U1.40 U1.41 U1.42 U1.43 U1.56 U1.61 U1.62 U6.1 U6.12 U6.13 U6.16

## Polygon pours and split planes (outlines as drawn)
GND on Top Layer "GND_L01_P007" (solid, pour order 7): -2796,-759 -2920,-635 -2935,-620 -2935,-10 -3092.48,-10 -3397,-314.52 -3397,-2184 -2107,-2184 -2107,-2773 -864,-2773 -864,-2148 460,-2148 460,-302.52 157.48,0 0,0 0,-634 -125,-759
3V3 on Top Layer "3V3_L01_P004" (solid, pour order 4): -1748,-1420 -1748,-1243 -1620,-1243 -1620,-1420
3V3 on Top Layer "3V3_L01_P003" (solid, pour order 3): -1967,-989 -1884,-989 -1884,-1164 -1805,-1243 -1620,-1243 -1620,-1335 -1633,-1348 -1927,-1348 -1927,-1380 -1960,-1413 -2007,-1413 -2007,-1196 -1966,-1155
5V on Top Layer "5V_L01_P002" (solid, pour order 2): -2448,-1455 -2264,-1455 -2264,-1172 -2252,-1160 -1986,-1160 -1986,-1008 -1967,-989 -1827,-989 -1827,-852 -1829,-850 -1880,-850 -1899,-869 -2072,-869 -2072,-1093 -2084,-1105 -2129,-1105 -2129,-1048 -2148,-1029 -2198,-1029 -2268,-1099 -2321,-1099 -2321,-1189 -2448,-1316
NetC30_2 on Top Layer "NETC30_2_L01_P001" (solid, pour order 1): -2575,-1112 -2545,-1142 -2545,-1451 -2688,-1451 -2688,-1165 -2670,-1165 -2617,-1112
NetC31_1 on Top Layer "NETC31_1_L01_P000" (solid, pour order 0): -3125,-987 -2831,-987 -2831,-914 -2830,-913 -2772,-913 -2772,-995 -2688,-1079 -2575,-1079 -2575,-1112 -2628,-1112 -2628,-1126 -2640,-1138 -2684,-1138 -2707,-1115 -2769,-1115 -2801,-1083 -3125,-1083
GND on Bottom Layer "GND_L02_P008" (solid, pour order 8): -2796,-759 -2920,-635 -2935,-620 -2935,-10 -3092.48,-10 -3397,-314.52 -3397,-2184 -2107,-2184 -2107,-2773 -864,-2773 -864,-2148 460,-2148 460,-302.52 157.48,0 0,0 0,-634 -125,-759
3V3 on Bottom Layer "3V3_L02_P006" (solid, pour order 6): -1698,-1348 -1617,-1348 -1617,-1402 -1698,-1402

## Silkscreen, mask and mechanical layers (free items; w line width, h text height)
Top Overlay:
  text "英雄云台" at -3392,-573.87 h150
  text "激光" at -2785,-840.83 h100
  text "发射电源" at 19,-985.55 h100
  text "Y轴陀螺仪" at -1773.91,-1069.64 h100
  text "调试串口" at -1359.91,-1069.55 h100
  text "通讯" at -819.91,-1340.55 h100
  text "云台电源" at -3237.91,-1574.55 h100
  text "遥控器" at -2160.91,-1841.45 h100
Bottom Overlay:
  text "极客徽章" at -148.93,-1469.23 h1000
Mechanical 1:
  lines w10: -1572,-2307 -1572,-2670 -1534,-2708 -1534,-2742 -1568,-2742 -1619,-2691 -1619,-2273 -1591,-2245 -1556,-2245 -1556,-2290 -1572,-2306 ; -1380,-2743 -1380,-2703 -1342,-2665 -1342,-2311 -1363,-2290 -1363,-2245 -1328,-2245 -1300,-2273 -1300,-2691 -1352,-2743 -1379,-2743 ; 462.09,-626.79 462.09,-512.24 ; -3397,-2184 -3397,-314.52 -3092.48,-10 -2935,-10 -2935,-620 -2920,-635 -2796,-759 -124,-759 0,-635 0,0 157.48,0 460,-302.52 460,-2148 -864,-2148 -864,-2773 -2107,-2773 -2107,-2184 -3397,-2184